# Allegro board RK_EVB1_RK3576_LP4XD200P132SD6_V12_20240530YWQ.brd (continued)
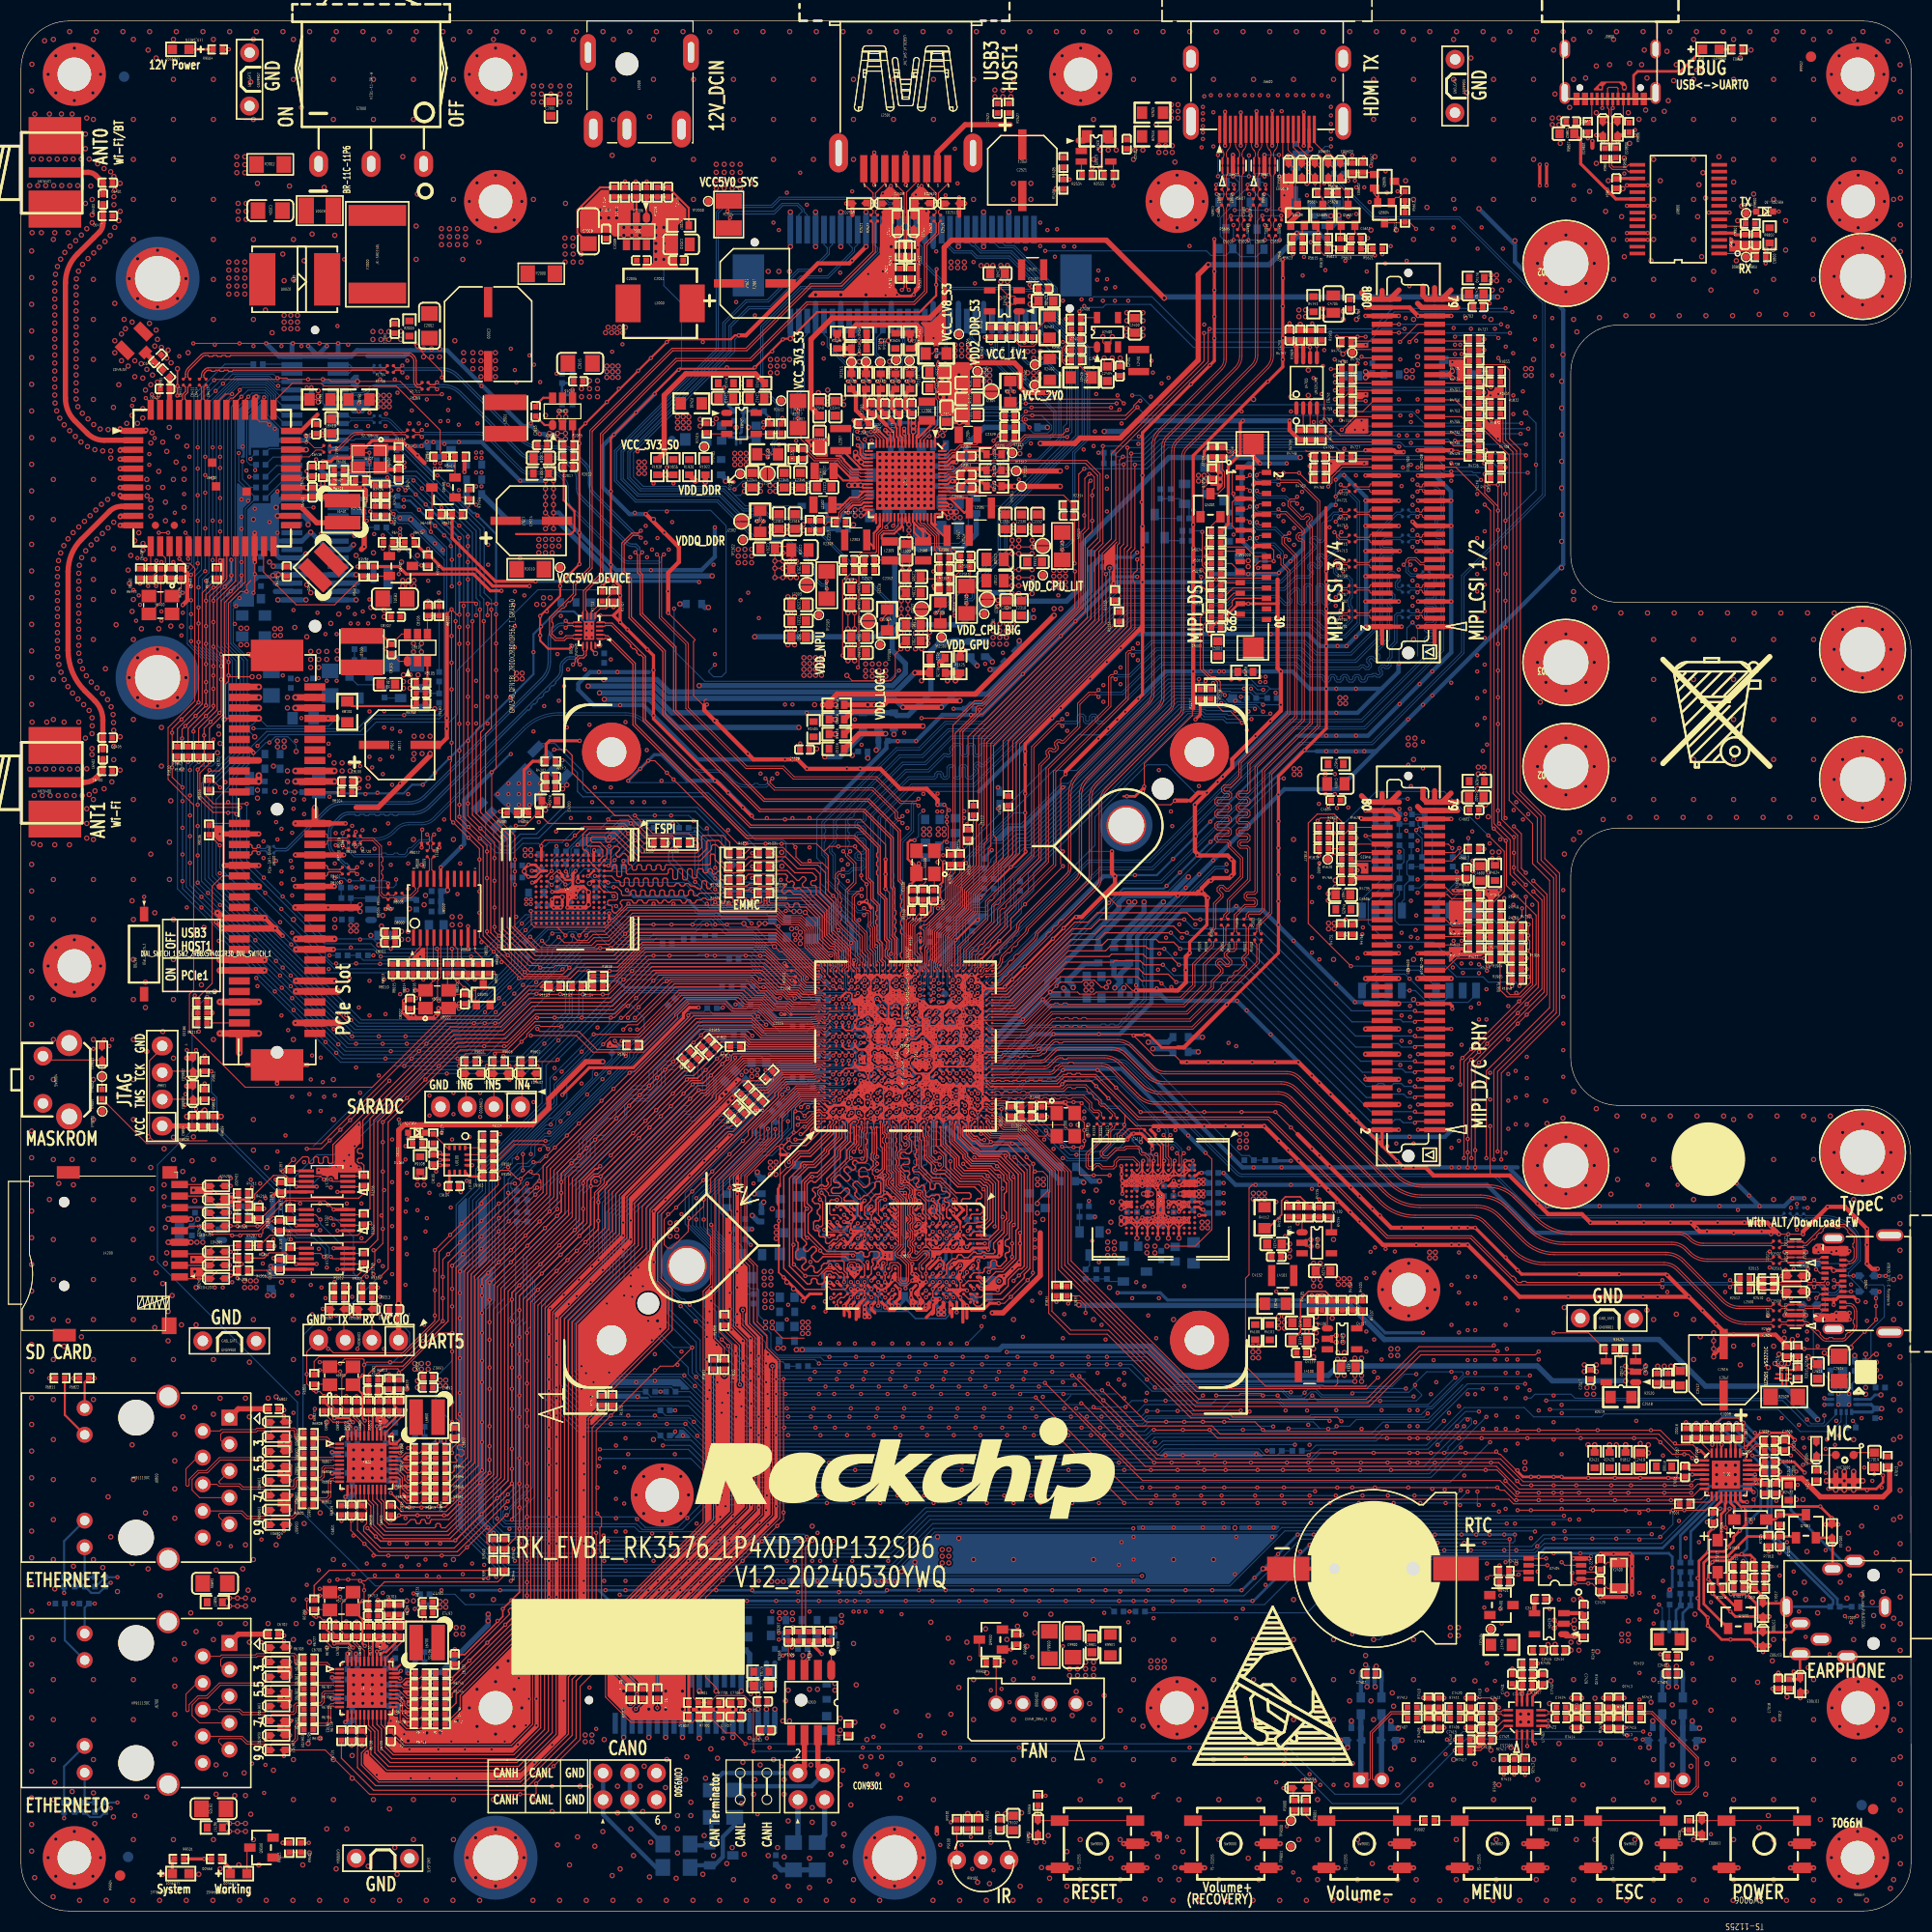
[diagram p0: board, top side]
## Nets (continued)
VCCIO1: C1309.1 R1354.1 U1000.2A8(VCCIO1_VCC)
VCCIO2: C1800.1 R1800.1 R1801.1 R1812.1 R7704.1 U1000.2A2(VCCIO2_VCC)
VCCIO3: C1801.1 R1826.1 U1000.2B10(VCCIO3_VCC)
VCCIO4: C1900.1 C1901.1 R1909.1 R1910.1 R1916.1 R1917.1 R1922.1 R1923.1 R4767.1 R5021.1 R5022.1 R6408.1 R6411.1 U1000.2A7(VCCIO4_VCC)
VCCIO5: C1902.1 C1903.1 R1926.1 R1927.1 R1934.1 R1935.1 R1936.1 R1937.1 U1000.2A4(VCCIO5_VCC_0) U1000.2A5(VCCIO5_VCC_1)
VCCIO6: C1802.1 Q5605.1(GATE) R1836.1 R1837.1 R1838.1 R1845.1 R1846.1 R5611.1 R5612.1 R5613.1 R5618.1 R5619.1 R5622.1 U1000.2N3(VCCIO6_VCC)
VCCIO7_VCC: C1300.1 R1308.1 U1000.2M3(VCCIO7_VCC)
VCCIO_ACODEC: C7414.1 C7417.1 R7405.2 R7409.1 U7402.11(VDD)
VCCIO_AUDIO: C2419.1 R1812.2 R2420.2 R2421.2 R7000.1 R7405.1
VCCIO_CODEC: C7003.1 R7000.2 U7000.2(DVDD) U7000.3(PVDD)
VCCIO_FT232: C9800.1 C9801.1 R9800.1 R9802.2 U9800.4(VDD-232)
VCCIO_PHY0: C6706.1 C6707.1 C6708.1 R6724.2 R6726.2 R6729.2 R6730.2 R6733.2 R6734.2 R6738.2 U6700.28(DVDD_RG)
VCCIO_PHY1: C6806.1 C6807.1 C6808.1 R6824.2 R6826.2 R6829.2 R6830.2 R6833.2 R6834.2 R6838.2 U6800.28(DVDD_RG)
VCCIO_SD_S0: C9309.1 CON9304.1 CON9700.34(CH11-) R1354.2 R1360.1 R1361.1 R2327.2 R9303.1 R9305.1 R9311.1 R9312.1 R9808.1 R9810.1 TP2312.1
VCCIO_SD_S0_P: C2360.1 CON9700.32(CH11+) R2327.1 U2300.65(PLDO5)
VCCIO_WL: C2423.1 C6422.1 C6423.1 C6424.1 C6502.1 C6503.1 CON6500.9(VCCIO) R1826.2 R2427.2 R2429.2 R6407.1 R6418.1 R6419.1 R6503.1 R6504.1 U6400.34(VDDIO) Y6401.4(VCC)
VDD1_1V8_DDR_S3: C3836.1 C3837.1 C3838.1 C3839.1 C3840.1 C3841.1 C3842.1 C3843.1 C3844.1 R3806.1 R3812.1 U3800.F1(VDD1_1) U3800.F12(VDD1_2) U3800.G4(VDD1_3) U3800.G9(VDD1_4) U3800.T4(VDD1_5) U3800.T9(VDD1_6) U3800.U1(VDD1_7) U3800.U12(VDD1_8)
VDD2_DDR_S3: C2326.1 C3821.1 C3822.1 C3823.1 C3824.1 C3825.1 C3826.1 C3827.1 C3828.1 C3829.1 C3830.1 C3831.1 C3832.1 C3833.1 C3834.1 C3835.1 CON9700.45(CH14-) J2304.1 Q3800.3(DRAIN) R2311.1 R3809.2 TP2304.1 U3800.A4(VDD2_1) U3800.A9(VDD2_2) U3800.AB4(VDD2_23) U3800.AB9(VDD2_24) U3800.F5(VDD2_3) U3800.F8(VDD2_4) U3800.G2(ODT_CA_A) U3800.H1(VDD2_5) U3800.H5(VDD2_6) U3800.H8(VDD2_7) U3800.H12(VDD2_8) U3800.K1(VDD2_9) U3800.K3(VDD2_10) U3800.K10(VDD2_11) U3800.K12(VDD2_12) U3800.N1(VDD2_13) U3800.N3(VDD2_14) U3800.N10(VDD2_15) U3800.N12(VDD2_16) U3800.R1(VDD2_17) U3800.R5(VDD2_18) U3800.R8(VDD2_19) U3800.R12(VDD2_20) U3800.T2(ODT_CA_B) U3800.U5(VDD2_21) U3800.U8(VDD2_22)
VDD2_DDR_S3_P: C2327.1 C2328.1 C2329.1 CON9700.43(CH14+) J2304.2 L2304.1 R2311.2 R2313.1 U2300.67(VOUT9)
VDD2_LP4_S0: Q3800.2(SOURCE) R3808.2
VDD10_PHY0: C6712.1 C6713.1 C6714.1 C6715.1 C6716.1 C6717.1 L6700.2 U6700.3(AVDD10#3) U6700.8(AVDD10#8) U6700.21(DVDD10) U6700.38(AVDD10#38)
VDD10_PHY1: C6812.1 C6813.1 C6814.1 C6815.1 C6816.1 C6817.1 L6800.2 U6800.3(AVDD10#3) U6800.8(AVDD10#8) U6800.21(DVDD10) U6800.38(AVDD10#38)
VDD_0V75_S3: CON9700.11(CH2-) R1146.2 R1408.2 R2328.2 TP2313.1
VDD_0V75_S3_P: C2363.1 CON9700.9(CH2+) R2328.1 U2300.14(NLDO1)
VDD_CPU_BIG_S0: C1000.1 C1001.1 C1002.1 C1003.1 C1004.1 C1005.1 C1006.1 C1007.1 C1008.1 C2309.1 C2310.1 C2311.2 CON9700.46(CH15-) J2301.2 R2301.2 R2304.2 TP2301.1 U1000.2G5(CPU_BIG_DVDD_0) U1000.2G6(CPU_BIG_DVDD_1) U1000.2H6(CPU_BIG_DVDD_2) U1000.2H7(CPU_BIG_DVDD_3) U1000.2J6(CPU_BIG_DVDD_4) U1000.2J7(CPU_BIG_DVDD_5) U1000.2K6(CPU_BIG_DVDD_6) U1000.2K7(CPU_BIG_DVDD_7) U2300.49(VOUT1)
VDD_CPU_BIG_S0_P: C2307.1 C2308.1 C2311.1 CON9700.44(CH15+) J2301.1 L2301.2 R2301.1 R2304.1
VDD_CPU_LIT_S0: C1009.1 C1010.1 C1011.1 C1012.1 C1013.1 C1014.1 C2333.1 C2334.2 CON9700.52(CH17-) J2305.2 R2312.2 R2314.2 TP2305.1 U1000.2H4(CPU_LIT_DVDD_0) U1000.2J3(CPU_LIT_DVDD_1) U1000.2J4(CPU_LIT_DVDD_2) U1000.2K3(CPU_LIT_DVDD_3) U1000.2K4(CPU_LIT_DVDD_4) U2300.56(VOUT3)
VDD_CPU_LIT_S0_P: C2330.1 C2331.1 C2332.1 C2334.1 CON9700.50(CH17+) J2305.1 L2305.2 R2312.1 R2314.1
VDD_DDR_S0: C1206.1 C1207.1 C1208.1 C1209.1 C1210.1 C1211.1 C2344.1 C2351.2 CON9700.24(CH7-) J2306.1 R2318.1 R2320.2 TP2308.1 U1000.2E2(DDRPHY_DVDD_0) U1000.2F3(DDRPHY_DVDD_1) U1000.2G2(DDRPHY_DVDD_2) U1000.2G3(DDRPHY_DVDD_3) U1000.2H2(DDRPHY_DVDD_4) U2300.25(VOUT10)
VDD_DDR_S0_P: C2345.1 C2346.1 C2351.1 CON9700.22(CH7+) J2306.2 L2308.1 R2318.2 R2320.1
VDD_GPU_S0: C1026.1 C1027.1 C1028.1 C1029.1 C1030.1 C1031.1 C1039.1 C2302.1 C2303.1 C2306.2 CON9700.40(CH13-) J2300.1 R2300.1 R2303.2 TP2300.1 U1000.2C4(GPU_DVDD_0) U1000.2C5(GPU_DVDD_1) U1000.2D4(GPU_DVDD_2) U1000.2D5(GPU_DVDD_3) U1000.2E4(GPU_DVDD_4) U2300.46(VOUT5)
VDD_GPU_S0_P: C2304.1 C2305.1 C2306.1 CON9700.38(CH13+) J2300.2 L2300.1 R2300.2 R2302.1 R2303.1
VDD_LOGIC_S0: C1015.1 C1016.1 C1017.1 C1018.1 C1020.1 C1021.1 C1022.1 C1023.1 C1024.1 C2349.1 C2350.1 C2352.2 CON9700.18(CH5-) J2307.2 R2319.2 R2321.2 TP2309.1 U1000.2E7(LOGIC_DVDD_0) U1000.2F7(LOGIC_MEM_DVDD_0) U1000.2F8(LOGIC_DVDD_1) U1000.2F9(LOGIC_DVDD_2) U1000.2G8(LOGIC_DVDD_3) U1000.2G9(LOGIC_DVDD_4) U1000.2H8(LOGIC_DVDD_5) U1000.2H9(LOGIC_DVDD_6) U1000.2J9(LOGIC_MEM_DVDD_1) U2300.41(VOUT7)
VDD_LOGIC_S0_P: C2347.1 C2348.1 C2352.1 CON9700.16(CH5+) J2307.1 L2309.2 R2319.1 R2321.1
VDD_NPU_S0: C1032.1 C1033.1 C1034.1 C1035.1 C1036.1 C1037.1 C1038.1 C1040.1 C2320.1 C2321.1 C2322.1 C2323.2 CON9700.30(CH9-) J2303.2 R2307.2 R2309.2 TP2303.1 U1000.2C7(NPU_DVDD_0) U1000.2C8(NPU_DVDD_1) U1000.2C9(NPU_DVDD_2) U1000.2D7(NPU_DVDD_3) U1000.2D8(NPU_DVDD_4) U2300.37(VOUT2)
VDD_NPU_S0_P: C2318.1 C2319.1 C2323.1 CON9700.28(CH9+) J2303.1 L2303.2 R2307.1 R2309.1
VDDA0V75_HDMI_S0: C1600.1 C1601.1 CON9700.23(CH6-) R2331.2 TP2315.1 U1000.2N11(HDMI_TX_EDP_TX_AVDDD0V75) U1000.2P11(HDMI_TX_EDP_TX_AVDDC0V75)
VDDA0V75_HDMI_S0_P: C2367.1 CON9700.21(CH6+) R2331.1 U2300.11(NLDO3)
VDDA_0V75_S0: CON9700.33(CH10-) R1132.1 R1148.2 R1407.2 R1500.2 R1502.2 R1505.2 R2334.2 TP2317.1
VDDA_0V75_S0_P: C2372.1 CON9700.31(CH10+) R2334.1 U2300.8(NLDO5)
VDDA_0V85_S0: CON9700.29(CH8-) R1320.2 R1403.2 R1503.2 R1700.2 R2333.2 TP2316.1
VDDA_0V85_S0_P: C2370.1 CON9700.27(CH8+) R2333.1 U2300.10(NLDO4)
VDDA_1V2_S0: CON9700.51(CH16-) R1308.2 R1504.2 R2325.2 R4111.1 TP2311.1
VDDA_1V2_S0_P: C2356.1 CON9700.49(CH16+) R2325.1 U2300.57(PLDO3)
VDDA_DDR_PLL_S0: C1213.1 CON9700.17(CH4-) R2329.2 TP2314.1 U1000.2C3(DDRPHY_PLL_DVDD)
VDDA_DDR_PLL_S0_P: C2365.1 CON9700.15(CH4+) R2329.1 U2300.12(NLDO2)
VDDI: C4007.1 U4000.C2(VDDI)
VDDQ_DDR_CKE_S3: C1214.1 R3809.1 U1000.2B2(DDRPHY_CKE_VDDQ)
VDDQ_DDR_S0: C1200.1 C1201.1 C1202.1 C1203.1 C1204.1 C1205.1 C2314.1 CON9700.12(CH3-) J2302.1 R1200.1 R1201.2 R2306.1 R3807.2 TP2302.1 U1000.2D1(DDRPHY_CK_VDDQ) U1000.2E1(DDRPHY_VDDQ_0) U1000.2F1(DDRPHY_VDDQ_1) U1000.2F2(DDRPHY_VDDQ_2) U1000.2G1(DDRPHY_VDDQ_3) U1000.2H1(DDRPHY_VDDQ_4) U1000.2J2(DDRPHY_VDDQ_5)
VDDQ_DDR_S0_P: C2315.1 C2316.1 C2317.1 CON9700.10(CH3+) J2302.2 L2302.1 R2306.2 R2308.1 U2300.30(VOUT6)
VDDQ_DRAM_S0: C3801.1 C3802.1 C3803.1 C3804.1 C3805.1 C3806.1 C3807.1 C3808.1 C3809.1 C3810.1 C3811.1 C3812.1 C3813.1 C3814.1 C3815.1 C3816.1 C3817.1 C3818.1 C3819.1 R3802.1 R3804.1 R3807.1 R3808.1 U3800.AA3(VDDQ_17) U3800.AA5(VDDQ_18) U3800.AA8(VDDQ_19) U3800.AA10(VDDQ_20) U3800.B3(VDDQ_1) U3800.B5(VDDQ_2) U3800.B8(VDDQ_3) U3800.B10(VDDQ_4) U3800.D1(VDDQ_5) U3800.D5(VDDQ_6) U3800.D8(VDDQ_7) U3800.D12(VDDQ_8) U3800.F3(VDDQ_9) U3800.F10(VDDQ_10) U3800.U3(VDDQ_11) U3800.U10(VDDQ_12) U3800.W1(VDDQ_13) U3800.W5(VDDQ_14) U3800.W8(VDDQ_15) U3800.W12(VDDQ_16)
32KOUT_CRY: R6403.1 Y6401.3(OUT)
32KOUT_RTC: R2423.2 R2424.1 R2425.1 R2426.1 U2405.7(CLKOUT)
32KOUT_RTC2CON: R2426.2 R6513.1
32KOUT_RTC2SOC: R1111.2 R2424.2
32KOUT_RTC2WIFI: R2425.2 R6405.1
AD0: R9104.2 R9105.1 U9100.1(AD0)
ADC_RST: C7418.1 R7409.2 U7402.1(RESETB)
ADCVREF_ES8388: C7010.1 U7000.19(ADCVREF)
AINLN: C7422.1 U7402.13(AINLN)
AINLP: C7421.1 U7402.14(AINLP)
AINRN: C7424.1 U7402.8(AINRN)
AINRP: C7423.1 U7402.7(AINRP)
AP627XP_PCIE_RXN: C6414.1 U6400.44(PCIE_RX_N)
AP627XP_PCIE_RXP: C6413.1 U6400.45(PCIE_RX_P)
AP627XP_PCIE_TXN: C6412.1 U6400.46(PCIE_TX_N)
AP627XP_PCIE_TXP: C6411.1 U6400.47(PCIE_TX_P)
AP627XP_REFCLKN: C6417.1 U6400.33(PCIE_RCLK_N)
AP627XP_REFCLKP: C6416.1 U6400.35(PCIE_RCLK_P)
AUD_I2C_SCL: C7706.1 CON7700.9(I2C_SCL) R7701.2
AUD_I2C_SDA: C7707.1 CON7700.7(I2C_SDA) R7700.2
AUD_LINEOUT_L: C7404.1 U7000.15(LOUT2)
AUD_LINEOUT_R: C7411.1 U7000.14(ROUT2)
AUD_LOOPBACK1_N: C7419.2 C7422.2 R7411.1
AUD_LOOPBACK1_P: C7415.1 C7421.2 R7406.1
AUD_LOOPBACK2_N: C7424.2 C7429.2 R7420.1
AUD_LOOPBACK2_P: C7423.2 C7425.1 R7414.1
AUD_PDM_CLK0: CON7700.29(SAI_SDI1/PDM_CLK0) R7706.1
AUD_PDM_CLK1: CON7700.30(SAI_SDO1/PDM_CLK1) R7705.2
AUD_PDM_SDI0: CON7700.33(SAI_SDI2/PDM_SDI0) R7708.1
AUD_PDM_SDI1: CON7700.34(SAI_SDO2/PDM_SDI1) R7707.2
AUD_PDM_SDI2: CON7700.35(SAI_SDI3/PDM_SDI2) R7710.1
AUD_PDM_SDI3: CON7700.36(SAI_SDO3/PDM_SDI3) R7709.2
AUD_PVDD: C7700.1 C7701.1 CON7700.2(PVDD_0) CON7700.4(PVDD_1) R7702.2
AUD_SPK1N: C7406.1 ED7401.1 FB7400.2 J7400.1 R7412.2
AUD_SPK1P: C7405.1 ED7400.1 FB7401.2 J7400.2 R7407.2
AUD_SPK2N: C7413.1 ED7403.1 FB7402.2 J7401.1 R7421.2
AUD_SPK2P: C7412.1 ED7402.1 FB7403.2 J7401.2 R7415.2
AUD_VCC_3V3: C7702.1 C7705.1 CON7700.1(VCC_3V3_0) CON7700.3(VCC_3V3_1) R7703.1
AUD_VCCIO: C7703.1 C7704.1 CON7700.8(VCCIO) R7704.2
BT_REG_ON_H: R1819.2 R6520.1 U6400.38(BT_REG_ON)
BT_WAKE_HOST_H: R1120.2 R6518.1 U6400.50(BT_HOST_WAKE)
CAN0_RX_M0: R9308.1 U1301.3(HSD2+)
CAN0_TX_M0: R9305.2 R9306.1 U1301.7(HSD2-)
CANH: CON9301.4 R9301.1 U9300.7(CANH)
CANH_CON: CON9300.1 CON9300.2 R9315.2
CANL: CON9301.2 R9302.1 U9300.6(CANL)
CANL_CON: CON9300.3 CON9300.4 R9316.2
CLK0N: R8007.1 U8000.19(CLK0N)
CLK0P: R8006.1 U8000.20(CLK0P)
CLK1_32K_OUT_WIFI: R1825.2 R6514.1
CLK1N: R8009.1 U8000.17(CLK1N)
CLK1P: R8008.1 U8000.18(CLK1P)
CLK_32KHZ: CON6500.23(32K_IN) R6513.2 R6514.2
CLKIC_OE: R8025.2 R8028.1 U8000.8(OE)
CLKIC_PDN: R8020.2 U8000.7(PDN)
CLKIC_S0: R8010.2 R8013.2 U8000.2(S0)
CLKIC_S1: R8014.2 R8015.2 U8000.3(S1)
CLKIC_S2: R8016.2 U8000.4(S2)
CON0_I2C_SCL_TP0: CON5000.23 R5014.2
CON0_I2C_SDA_TP0: CON5000.24 R5015.1
CON0_LCD0_BL_PWM: CON5000.17 R5010.2
CON0_LCD0_ID: CON5000.21 R5012.2
CON0_LCD0_PWREN: CON5000.22 R5013.1
CON0_LCD0_TE: CON5000.18 R5011.1
CON0_TP0_INT: CON5000.25 R5016.2
CON0_TP0_RST: CON5000.26 R5017.1
CON0_TX0_CLKN: CON5000.8 R5004.1
CON0_TX0_CLKP: CON5000.9 R5005.2
CON0_TX0_D0N: CON5000.2 R5000.1
CON0_TX0_D0P: CON5000.3 R5001.2
CON0_TX0_D1N: CON5000.5 R5002.2
CON0_TX0_D1P: CON5000.6 R5003.1
CON0_TX0_D2N: CON5000.11 R5006.2
CON0_TX0_D2P: CON5000.12 R5007.1
CON0_TX0_D3N: CON5000.14 R5008.1
CON0_TX0_D3P: CON5000.15 R5009.2
CON0_VCC5V0_LCD: C5000.1 C5001.1 CON5000.28 CON5000.29 CON5000.30 R5018.1
CON_BT_REG_ON_H: CON6500.35(BT_REG_ON) R6520.2
CON_BT_WAKE_HOST: CON6500.31(BT_WAKE_HOST) R6518.2
CON_HOST_WAKE_BT_H: CON6500.29(HOST_WAKE_BT) R6522.2
CON_PCIE0_REFCLKN: R1713.2 R6502.1
CON_PCIE0_REFCLKP: R1715.2 R6501.1
CON_PCIE0_RXN: CON6500.50(SOC_PCIE_RXN) R1708.2
CON_PCIE0_RXP: CON6500.52(SOC_PCIE_RXP) R1710.2
CON_PCIE0_TXN: C6501.1 R1705.2
CON_PCIE0_TXP: C6500.1 R1703.2
CON_PCIE_CLKREQN_L: CON6500.24(PCIE_CLKREQN) R6515.2
CON_PCIE_PERSTN_L: CON6500.22(PCIE_PERSTN) R6517.2
CON_PCIE_WAKEN_L: CON6500.20(PCIE_WAKEN) R6516.2
CON_WIFI_REG_ON_H: CON6500.37(WIFI_REG_ON) R6521.2
CON_WIFI_WAKE_HOST: CON6500.33(WIFI_WAKE_HOST) R6519.2
DDR_PLL_AVDD1V8: C1212.1 R1202.2 U1000.2D2(DDRPHY_PLL_AVDD1V8)
DDR_PLL_AVSS: C1212.2 C1213.2 R1203.1 U1000.2C2(DDRPHY_PLL_AVSS)
DEBUG_USBDM: R9804.1 U9800.16(DM)
DEBUG_USBDM_C: ED9801.1 J9800.A7(DN1) J9800.B7(DN2) R9804.2
DEBUG_USBDP: R9805.1 U9800.15(DP)
DEBUG_USBDP_C: ED9800.1 J9800.A6(DP1) J9800.B6(DP2) R9805.2
DP_TX_AUXN: C2501.1 U1000.2T3(--               | DP_TX_AUXN)
DP_TX_AUXP: C2500.1 U1000.2T2(--               | DP_TX_AUXP)
EMMC_CLKOUT: C4003.1 R1337.2 U4000.M6(CLK)
EMMC_CMD: R1336.2 R4000.2 U4000.M5(CMD)
EMMC_D0: R1328.2 R4001.2 U4000.A3(DATA0)
EMMC_D1: R1329.2 U4000.A4(DATA1)
EMMC_D2: R1330.2 U4000.A5(DATA2)
EMMC_D3: R1331.2 U4000.B2(DATA3)
EMMC_D4: R1332.2 U4000.B3(DATA4)
EMMC_D5: R1333.2 U4000.B4(DATA5)
EMMC_D6: R1334.2 U4000.B5(DATA6)
EMMC_D7: R1335.2 U4000.B6(DATA7)
EMMC_DATA_STROBE: R1338.2 R4004.1
EMMC_RSTN: R1339.2 R4006.2 U4000.K5(RST_N)
ETH_CLK0_25M_OUT_M0: R1938.2 R6709.1
ETH_CLK1_25M_OUT_M0: R1900.2 R6809.1
FSPI0_CLK/EMMC_CLK: R1310.2 R1337.1 R1350.1
FSPI0_CSN0/EMMC_RSTN: R1339.1 R1352.1 U1000.1D23(PWM2_CH1_M0 | MIPI_TE_M3 | I2C7_SDA_M0   | UART6_RX_M2   | --           | --           | --           | FSPI0_CSN0 | EMMC_RSTN | GPIO1_B3_U)
FSPI0_D0/EMMC_D0: R1328.1 R1340.1 U1000.E28(--          | --         | I2C2_SCL_M1   | UART7_RTSN_M1 | --           | --           | SAI0_SCLK_M2 | FSPI0_D0   | EMMC_D0   | GPIO1_A0_U)
FSPI0_D1/EMMC_D1: R1329.1 R1341.1 U1000.E29(--          | --         | I2C2_SDA_M1   | UART7_CTSN_M1 | --           | --           | SAI0_LRCK_M2 | FSPI0_D1   | EMMC_D1   | GPIO1_A1_U)
FSPI0_D2/EMMC_D2: R1330.1 R1342.1 U1000.1C24(--          | --         | UART6_RTSN_M2 | UART7_TX_M1   | PDM0_SDI3_M1 | SAI0_SDI3_M2 | SAI0_SDO1_M2 | FSPI0_D2   | EMMC_D2   | GPIO1_A2_U)
FSPI0_D3/EMMC_D3: R1331.1 R1343.1 U1000.F28(--          | --         | UART6_CTSN_M2 | UART7_RX_M1   | PDM0_SDI1_M1 | SAI0_SDI2_M2 | SAI0_SDO2_M2 | FSPI0_D3   | EMMC_D3   | GPIO1_A3_U)
FSPI_CLKOUT: R1350.2 U4300.6(CLK)
FSPI_CSN0: R1352.2 R4300.2 U4300.1(C\S\)
FSPI_D0: R1340.2 U4300.5(DI(D0))
FSPI_D1: R1341.2 U4300.2(DO(D1))
FSPI_D2: R1342.2 R4301.2 U4300.3(W\P\(D2))
FSPI_D3: R1343.2 R4302.2 U4300.7(H\O\L\D\(D3))
GMAC0_INT/PMEB: R6731.1 U6700.31(INTB/PMEB)
GMAC0_MCLKINOUT_M0: C6703.1 R1944.2 R6710.1 R6713.1
GMAC0_MDC_M0: R1925.2 U6700.13(MDC)
GMAC0_MDIO_M0: R1924.2 R6738.1 U6700.14(MDIO)
GMAC0_RSTN: R6739.1 U1000.1C18(--          | SATA1_ACTLED_M0 | --               | SPI4_MISO_M3  | UART7_RTSN_M0  | PDM0_CLK0_M3 | SAI0_MCLK_M0 | ETH0_RXCLK_M1       | SDMMC1_DETN_M1      | VI_CIF_D8            | GPIO2_B5_D)
GMAC0_RXCLK_M0: C6722.1 R6744.2 U1000.1A12(--          | I3C1_SDA_PU_M2 | SPI4_CLK_M1    | --             | FLEXBUS1_CSN_M2 | --              | FLEXBUS0_D11    | DSMC_CSN2   | SAI2_MCLK_M2 | ETH0_RXCLK_M0       | VO_EBC_SDDO2  | VO_LCDC_D2    | GPIO3_D1_D)
GMAC0_RXCTL_M0: R6745.2 U1000.B13(--          | --             | UART10_RTSN_M0 | UART1_TX_M2    | --              | --              | FLEXBUS0_D5     | DSMC_DATA13 | PDM1_CLK1_M2 | ETH0_RXCTL_M0       | VO_EBC_VCOM   | VO_LCDC_D20   | GPIO3_A7_D)
GMAC0_RXD0_M0: R6740.2 U1000.A13(--          | I2C8_SDA_M3    | --             | UART9_RX_M1    | --              | --              | FLEXBUS0_D3     | DSMC_DATA11 | PDM1_SDI1_M2 | ETH0_RXD0_M0        | VO_EBC_SDCE1  | VO_LCDC_D17   | GPIO3_B2_D)
GMAC0_RXD1_M0: R6741.2 U1000.1A11(PWM1_CH3_M3 | --             | SPI4_CSN0_M1   | UART10_TX_M0   | --              | --              | FLEXBUS0_D4     | DSMC_DATA12 | PDM1_CLK0_M2 | ETH0_RXD1_M0        | VO_EBC_SDCE2  | VO_LCDC_D18   | GPIO3_B1_D)
GMAC0_RXD2_M0: R6742.2 U1000.B12(PWM2_CH5_M3 | I3C1_SCL_M2    | --             | UART2_CTSN_M2  | --              | --              | FLEXBUS1_D2     | DSMC_CSN0   | SAI2_SDO_M2  | ETH0_RXD2_M0        | VO_EBC_SDDO0  | VO_LCDC_D0    | GPIO3_D3_D)
GMAC0_RXD3_M0: R6743.2 U1000.1A10(PWM2_CH4_M3 | I3C1_SDA_M2    | SPI4_CSN1_M1   | UART2_RTSN_M2  | FLEXBUS0_CSN_M3 | FLEXBUS1_D15_M0 | FLEXBUS0_D12    | DSMC_CSN3   | SAI2_SDI_M2  | ETH0_RXD3_M0        | VO_EBC_SDDO1  | VO_LCDC_D1    | GPIO3_D2_D)
GMAC0_TXCLK_M0: C6720.1 R1931.2 U6700.20(TXC)
GMAC0_TXCTL_M0: R1928.2 U6700.19(TXCTL)
GMAC0_TXD0_M0: R1930.2 U6700.18(TXD0)
GMAC0_TXD1_M0: R1929.2 U6700.17(TXD1)
GMAC0_TXD2_M0: R1933.2 U6700.16(TXD2)
GMAC0_TXD3_M0: R1932.2 U6700.15(TXD3)
GMAC1_INT/PMEB: R1129.2 R6831.1 U6800.31(INTB/PMEB)
GMAC1_MCLKINOUT_M0: C6803.1 R1903.2 R6810.1 R6813.1
GMAC1_MDC_M0: R1920.2 U6800.13(MDC)
GMAC1_MDIO_M0: R1921.2 R6838.1 U6800.14(MDIO)
GMAC1_RSTN: R6839.1 U1000.1A19(--          | --              | CAN1_RX_M3       | SPI3_CSN0_M0  | UART3_RTSN_M0  | SPDIF_TX1_M1 | SAI3_SDI_M2  | ETH0_RXD1_M1        | ETH1_PTP_REFCLK_M0  | VI_CIF_CLKI          | GPIO3_A3_D)
GMAC1_RXCLK_M0: C6822.1 R6844.2 U1000.1D15(PWM1_CH2_M2 | --              | --               | SPI1_MOSI_M1  | UART11_CTSN_M1 | PDM1_SDI2_M0 | SAI2_SCLK_M1 | ETH0_PPSTRIG_M1     | ETH1_RXCLK_M0       | VI_CIF_D3            | GPIO2_C2_D)
GMAC1_RXCTL_M0: R6845.2 U1000.B18(PWM2_CH3_M2 | I3C1_SDA_M0     | --               | --            | UART6_RX_M1    | --           | --           | --                  | ETH1_RXCTL_M0       | --                   | GPIO2_D3_D)
GMAC1_RXD0_M0: R6840.2 U1000.1A16(PWM2_CH1_M2 | --              | I2C6_SDA_M2      | --            | UART4_RX_M0    | --           | SAI4_SDO_M3  | --                  | ETH1_RXD0_M0        | --                   | GPIO2_D1_D)
GMAC1_RXD1_M0: R6841.2 U1000.B17(PWM2_CH2_M2 | I3C1_SCL_M0     | --               | --            | UART6_TX_M1    | --           | SAI4_MCLK_M3 | --                  | ETH1_RXD1_M0        | CAM_CLK0_OUT_M1      | GPIO2_D2_D)
GMAC1_RXD2_M0: R6842.2 U1000.A17(PWM1_CH0_M2 | --              | --               | --            | UART9_RX_M0    | PDM1_SDI1_M0 | --           | ETH0_PTP_REFCLK_M1  | ETH1_RXD2_M0        | VI_CIF_D5            | GPIO2_C0_D)
GMAC1_RXD3_M0: R6843.2 U1000.1A15(PWM1_CH1_M2 | --              | --               | SPI1_CSN1_M1  | UART9_TX_M0    | PDM1_CLK1_M0 | SAI2_MCLK_M1 | ETH0_PPSCLK_M1      | ETH1_RXD3_M0        | VI_CIF_D4            | GPIO2_C1_D)
GMAC1_TXCLK_M0: C6820.1 R1914.2 U6800.20(TXC)
GMAC1_TXCTL_M0: R1919.2 U6800.19(TXCTL)
GMAC1_TXD0_M0: R1915.2 U6800.18(TXD0)
GMAC1_TXD1_M0: R1918.2 U6800.17(TXD1)
GMAC1_TXD2_M0: R1912.2 U6800.16(TXD2)
GMAC1_TXD3_M0: R1913.2 U6800.15(TXD3)
GPIO0_A0_D: R1110.1 U1000.V29(--          | --             | --            | AUPLL_CLK_IN_M0 | REF_CLK0_OUT | GPIO0_A0_D)
GPIO0_A2_D: R1111.1 R1113.1 U1000.1U23(I2C6_SCL_M0 | CLK0_32K_OUT   | CLK_32K_IN    | --              | --           | GPIO0_A2_D)
GPIO0_A3_D: R1112.1 U1000.Y28(--          | TSADC_CTRL_M1  | PWR_CTRL1     | --              | --           | GPIO0_A3_D)
GPIO0_A4_D: R1114.1 U1000.1T24(--          | --             | PWR_CTRL2     | --              | --           | GPIO0_A4_D)
GPIO0_A5_D: R1115.1 U1000.Y29(I2C6_SDA_M0 | --             | PWR_CTRL3     | --              | --           | GPIO0_A5_D)
GPIO0_A6_U: R1116.1 U1000.1T21(--          | --             | PMIC_INT      | --              | --           | GPIO0_A6_U)
GPIO0_A7_U: C1120.1 R1117.1 U1000.1U21(--          | --             | SPI2_CSN1_M0  | --              | SDMMC0_DETN  | GPIO0_A7_U)
GPIO0_B0_Z: R1118.1 U1000.1U22(I2C0_SCL_M0 | --             | SPI2_CSN0_M0  | AUPLL_CLK_IN_M1 | --           | GPIO0_B0_Z)
GPIO0_B1_Z: R1120.1 U1000.1P23(I2C0_SDA_M0 | --             | SPI2_MISO_M0  | --              | --           | GPIO0_B1_Z)
GPIO0_B2_Z: R1122.1 U1000.1T22(I2C1_SCL_M0 | --             | SPI2_CLK_M0   | --              | --           | GPIO0_B2_Z)
GPIO0_B3_Z: R1123.1 U1000.1T23(I2C1_SDA_M0 | --             | SPI2_MOSI_M0  | --              | --           | GPIO0_B3_Z)
GPIO0_B4_D: R1129.1 R1130.1 U1000.AD28(--            | PWM1_CH0_M0 | --             | UART4_TX_M2     | I2C1_SCL_M1      | --           | --             | REF_CLK1_OUT | GPIO0_B4_D)
GPIO0_B7_D: R1131.1 U1000.1W24(--            | PWM1_CH4_M0 | NPU_AVS        | UART1_TX_M0     | I2C2_SCL_M0      | --           | --             | --           | GPIO0_B7_D)
GPIO0_C0_D: R1133.1 U1000.AB29(--            | PWM1_CH3_M0 | CPULIT_AVS     | UART1_RX_M0     | I2C2_SDA_M0      | --           | --             | --           | GPIO0_C0_D)
GPIO0_C3_D: TP1100.1 U1000.1W21(--            | PWM0_CH1_M0 | SPI0_CSN1_M0   | --              | HDMI_TX_CEC_M1   | PDM0_CLK1_M0 | --             | --           | GPIO0_C3_D)
GPIO0_C7_D: R1109.1 U1000.1Y23(--            | --          | SPI0_CLK_M0    | --              | I2C3_SDA_M1      | --           | --             | SAI0_LRCK_M1 | GPIO0_C7_D)
GPIO0_D1_D: R1137.1 U1000.AC28(--            | --          | SPI0_MISO_M0   | --              | --               | PDM0_SDI1_M0 | SAI0_SDO3_M1   | SAI0_SDI1_M1 | GPIO0_D1_D)
GPIO0_D3_D: R1140.1 R1142.1 U1000.1AA23(UART1_RTSN_M0 | PWM2_CH0_M0 | GPU_AVS        | --              | I2C4_SDA_M0      | PDM0_SDI3_M0 | SAI0_SDO1_M1   | SAI0_SDI3_M1 | GPIO0_D3_D)
GPIO1_A4: R1332.1 U1000.1D24(--          | --         | --            | SPI0_CSN0_M2  | --           | SAI3_MCLK_M0 | SAI0_MCLK_M2 | --         | EMMC_D4   | GPIO1_A4_U)
GPIO1_A5: R1333.1 U1000.G28(--          | --         | I2C9_SCL_M0   | SPI0_MOSI_M2  | PDM0_SDI2_M1 | SAI3_SCLK_M0 | --           | --         | EMMC_D5   | GPIO1_A5_U)
GPIO1_A6: R1334.1 U1000.D28(--          | --         | I2C9_SDA_M0   | SPI0_MISO_M2  | PDM0_CLK1_M1 | SAI3_LRCK_M0 | --           | --         | EMMC_D6   | GPIO1_A6_U)
GPIO1_A7: R1335.1 U1000.1B24(--          | --         | --            | SPI0_CLK_M2   | --           | SAI3_SDI_M0  | SAI0_SDO0_M2 | --         | EMMC_D7   | GPIO1_A7_U)
GPIO1_B0: R1336.1 U1000.1F22(--          | --         | I2C7_SCL_M0   | UART6_TX_M2   | --           | --           | FSPI0_CSN1   | FSPI0_RSTN | EMMC_CMD  | GPIO1_B0_U)
GPIO1_B2: R1338.1 U1000.1F23(--          | --         | --            | SPI0_CSN1_M2  | PDM0_SDI0_M1 | SAI3_SDO_M0  | SAI0_SDI0_M2 | --         | EMMC_STRB | GPIO1_B2_D)
GPIO1_C1_D: R1813.1 U1000.1B22(--           | --               | --           | --             | UART3_RX_M2    | --           | PDM0_CLK0_M2 | SAI3_MCLK_M1  | --            | SDMMC1_CLK_M0   | ETH1_TXCLK_M1       | GPIO1_C1_D)
GPIO1_C2_U: R1814.1 U1000.B29(PWM1_CH2_M1  | --               | SPI2_CSN1_M1 | I2C6_SCL_M1    | UART4_RTSN_M1  | --           | --           | FSPI1_CSN1_M1 | FSPI1_RSTN_M1 | SDMMC1_PWREN_M0 | ETH1_PPSCLK_M1      | GPIO1_C2_U)
GPIO1_C3_U: R1815.1 U1000.1C23(--           | --               | SPI2_CSN0_M1 | I2C6_SDA_M1    | UART4_CTSN_M1  | --           | --           | --            | FSPI1_CSN0_M1 | SDMMC1_DETN_M0  | ETH1_PPSTRIG_M1     | GPIO1_C3_U)
GPIO1_C4_D: R1816.1 U1000.1B23(--           | PCIE0_BUTTONRSTN | SPI2_MOSI_M1 | UART2_RTSN_M0  | UART4_TX_M1    | --           | --           | --            | FSPI1_D0_M1   | --              | ETH1_TXD0_M1        | GPIO1_C4_D)
GPIO1_C5_D: R1817.1 U1000.B28(--           | PCIE1_BUTTONRSTN | SPI2_MISO_M1 | UART2_CTSN_M0  | UART4_RX_M1    | --           | --           | --            | FSPI1_D1_M1   | --              | ETH1_TXD1_M1        | GPIO1_C5_D)
GPIO1_C6_D: R1818.1 U1000.A26(--           | SATA_CPPOD       | --           | I2C8_SCL_M1    | UART2_TX_M0    | --           | PDM0_SDI0_M2 | --            | FSPI1_D2_M1   | --              | ETH1_TXCTL_M1       | GPIO1_C6_D)
GPIO1_C7_D: R1819.1 U1000.1C22(--           | SATA_CPDET       | --           | I2C8_SDA_M1    | UART2_RX_M0    | --           | PDM0_SDI1_M2 | --            | FSPI1_D3_M1   | --              | ETH1_RXD0_M1        | GPIO1_C7_D)
GPIO1_D0_D: R1820.1 R1853.1 U1000.C29(--           | --               | --           | --             | UART10_TX_M1   | --           | --           | SAI2_SDO_M0   | --            | --              | ETH1_RXD1_M1        | GPIO1_D0_D)
GPIO1_D1_D: R1821.1 R1854.1 U1000.1D22(--           | --               | --           | I3C0_SDA_PU_M1 | UART10_RX_M1   | --           | --           | SAI2_SCLK_M0  | --            | --              | ETH1_RXCTL_M1       | GPIO1_D1_D)
GPIO1_D2_D: R1822.1 R1855.1 U1000.1A24(PWM1_CH3_M1  | --               | --           | I3C0_SCL_M1    | --             | --           | --           | SAI2_LRCK_M0  | --            | --              | ETH1_MDC_M1         | GPIO1_D2_D)
GPIO1_D3_D: R1842.1 R1856.1 U1000.C28(PWM1_CH4_M1  | --               | --           | I3C0_SDA_M1    | --             | --           | --           | SAI2_SDI_M0   | --            | --              | ETH1_MDIO_M1        | GPIO1_D3_D)
GPIO1_D4_D: R1823.1 U1000.1E21(--           | --               | --           | I2C5_SCL_M1    | UART10_RTSN_M1 | SPDIF_RX1_M2 | PDM0_SDI3_M2 | SAI2_MCLK_M0  | --            | --              | ETH1_MCLK_M1        | GPIO1_D4_D)
GPIO1_D5_D: R1824.1 R1825.1 U1000.1E22(CLK1_32K_OUT | SATA_MPSWIT      | SPI2_CLK_M1  | I2C5_SDA_M1    | UART10_CTSN_M1 | SPDIF_TX1_M2 | PDM0_CLK1_M2 | --            | FSPI1_CLK_M1  | --              | ETH_CLK1_25M_OUT_M1 | GPIO1_D5_D)
GPIO2_B0_D: R1907.1 U1000.B19(--          | --              | --               | --            | UART1_TX_M1    | PDM0_SDI3_M3 | SAI0_SDI0_M0 | ETH0_TXD1_M1        | SDMMC1_D2_M1        | VI_CIF_D13           | GPIO2_B0_D)
GPIO2_B1_D: R1908.1 U1000.1A18(--          | --              | --               | --            | UART1_RX_M1    | PDM0_SDI2_M3 | SAI0_SDI1_M0 | ETH0_TXD0_M1        | SDMMC1_D3_M1        | VI_CIF_D12           | GPIO2_B1_D)
GPIO2_C3_D: R1912.1 U1000.A15(PWM0_CH0_M2 | --              | --               | SPI1_MISO_M1  | UART11_RTSN_M1 | PDM1_SDI3_M0 | SAI2_LRCK_M1 | --                  | ETH1_TXD2_M0        | VI_CIF_D2            | GPIO2_C3_D)
GPIO2_C4_D: R1913.1 U1000.1A13(PWM1_CH3_M2 | --              | --               | SPI1_CSN0_M1  | UART11_TX_M1   | PDM1_SDI0_M0 | SAI2_SDO_M1  | --                  | ETH1_TXD3_M0        | VI_CIF_D1            | GPIO2_C4_D)
